# KiCad board cyclic.kicad_pcb (continued)
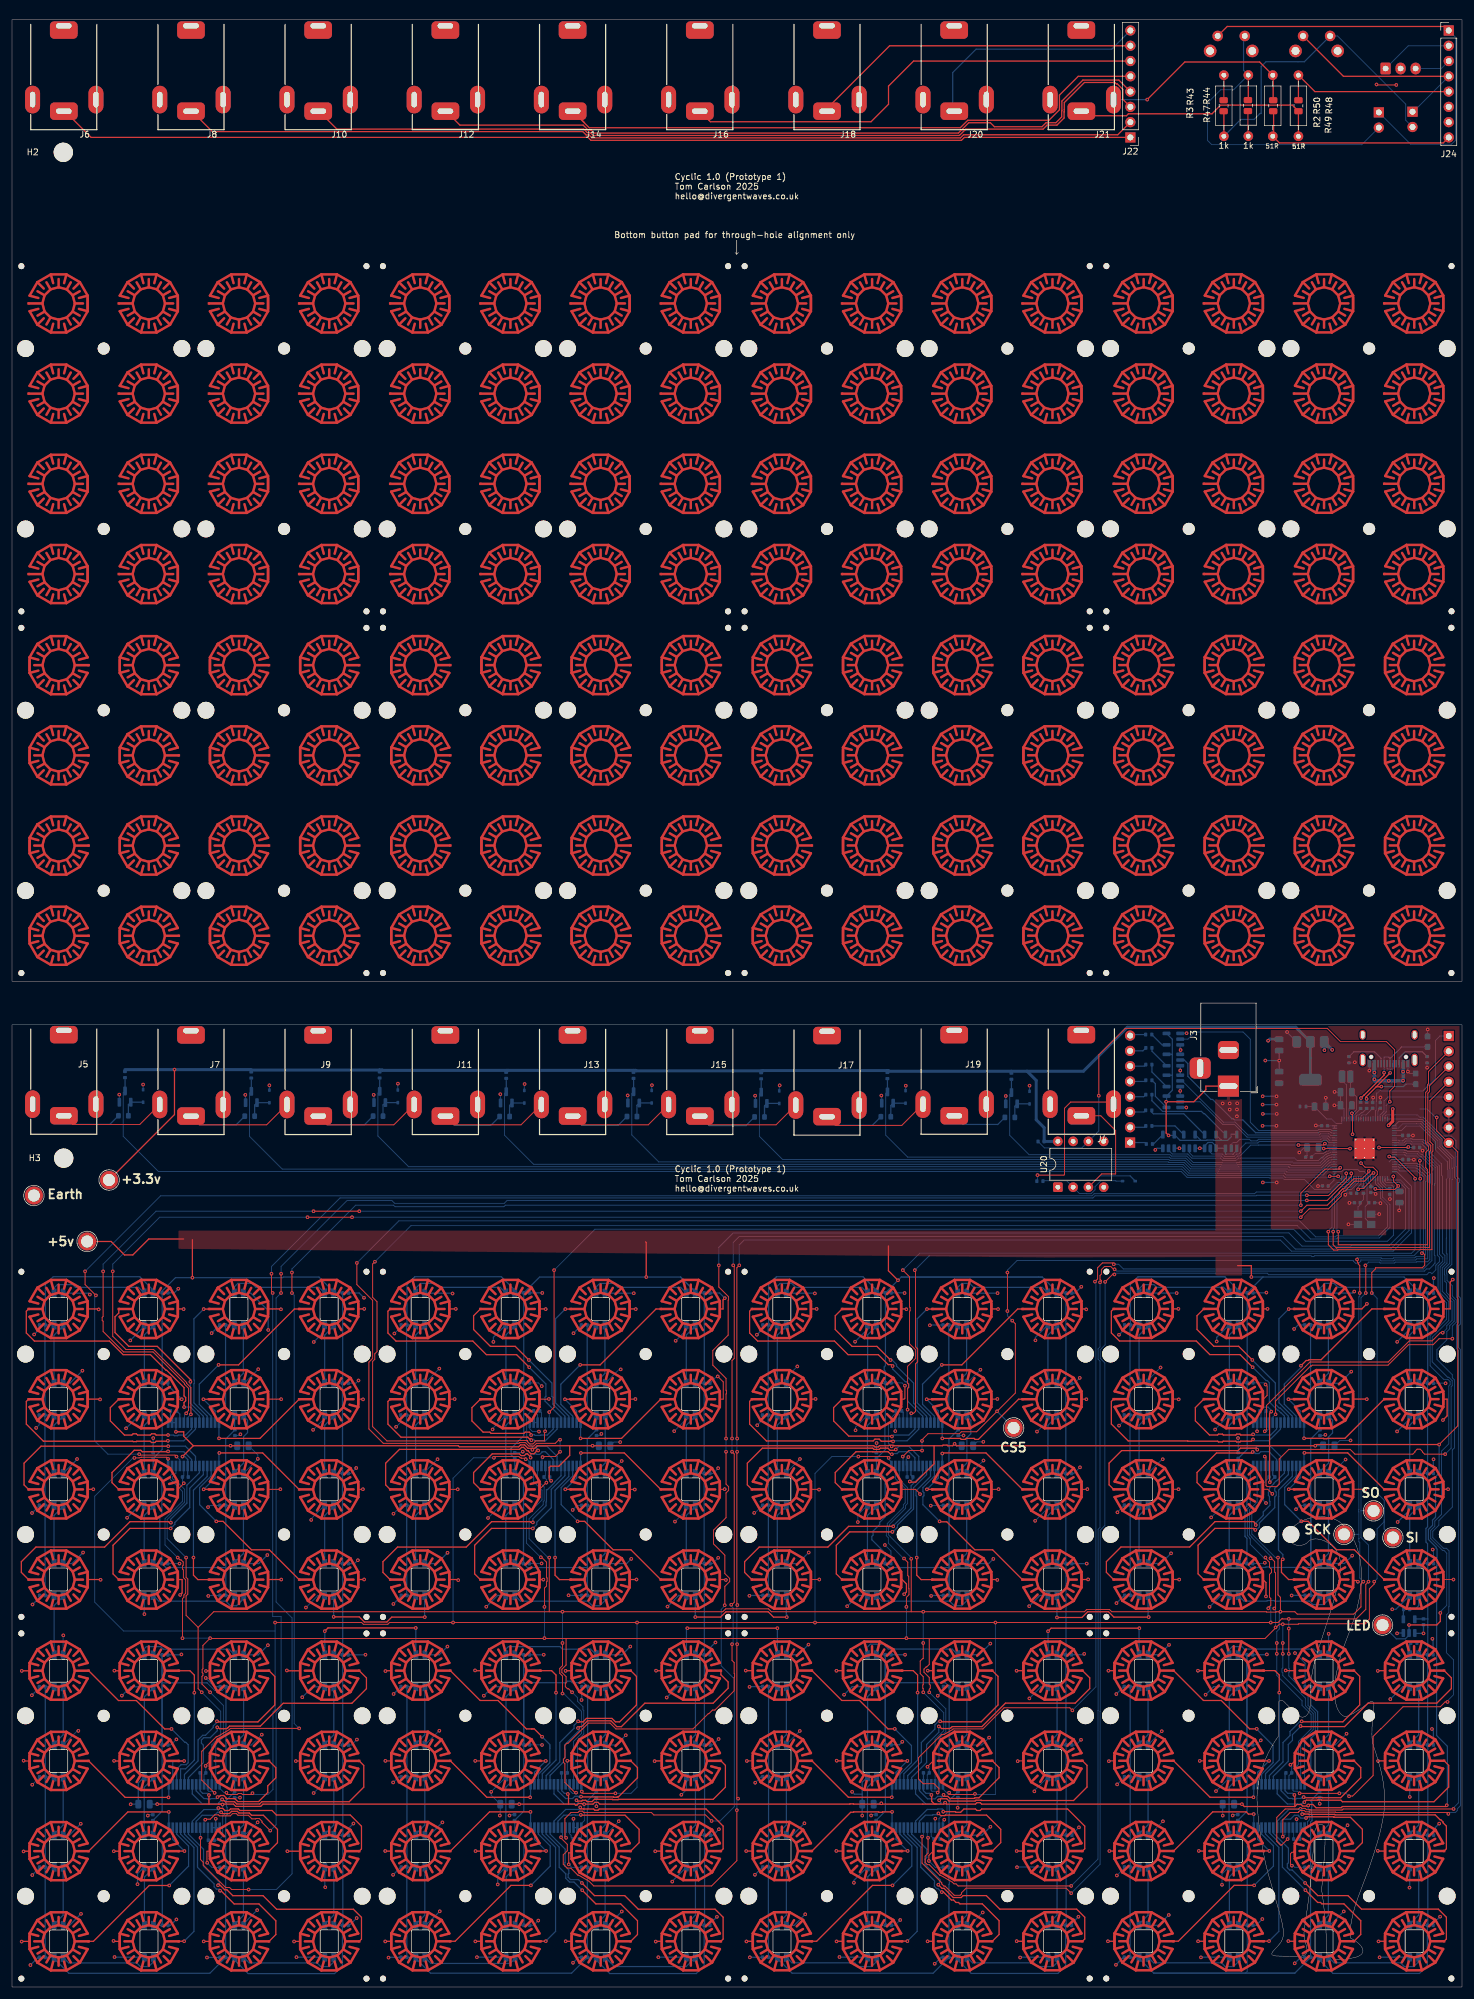
[diagram p0: board, top side]
## Nets (continued)
Earth: C1.2 C2.2 C3.2 C4.2 C5.2 C6.2 C7.2 C8.2 C9.2 C10.2 C11.2 C12.2 C13.2 C14.2 C15.2 C16.2 C17.2 C18.2 C19.2 C20.2 C21.2 C22.2 C23.2 C24.2 C25.2 C26.2 C27.2 C28.2 C29.2 C30.2 C31.2 C32.2 C33.2 C34.2 C35.2 C36.2 C37.2 C38.2 C39.2 C40.2 C41.2 C42.2 C43.2 C44.2 C45.2 C46.2 C47.2 C48.2 C49.2 C50.2 C51.2 C52.2 C53.2 C54.2 C55.2 C56.2 C57.2 C58.2 C59.2 C60.2 C61.2 C62.2 C63.2 C64.2 C65.2 C66.2 C67.2 C68.2 C69.2 C70.2 C71.2 C72.2 C73.2 C74.2 C75.2 C76.2 C77.2 C78.2 C79.2 C80.2 C81.2 C82.2 C83.2 C84.2 C85.2 C86.2 C87.2 C88.2 C89.2 C90.2 C91.2 C92.2 C93.2 C94.2 C95.2 C96.2 C97.2 C98.2 C99.2 C100.2 C101.2 C102.2 C103.2 C104.2 C105.2 C106.2 C107.2 C108.2 C109.2 C110.2 C111.2 C112.2 C113.2 C114.2 C115.2 C116.2 C117.2 C118.2 C119.2 C120.2 C121.2 C122.2 C123.2 C124.2 C125.2 C126.2 C127.2 C128.2 C129.2 C130.2 C131.2 C132.2 C133.2 C134.2 C135.2 C136.2 C137.2 C138.2 C139.2 C140.2 C141.2 C142.2 C143.2 C144.2 C145.2 C146.2 C147.2 C148.2 C149.2 C150.2 C151.2 C152.2 C153.2 C154.2 C155.2 C156.2 C157.2 C158.2 C159.2 C160.2 C161.2 C162.2 C163.2 C164.2 C165.2 D1.1 D2.1 D5.3 D6.3 D7.3 D8.3 D9.3 D10.3 D11.3 D12.3 D13.3 D14.3 D15.3 D16.3 D17.3 D18.3 D19.3 D20.3 D21.3 D22.3 D23.3 D24.3 D25.3 D26.3 D27.3 D28.3 D29.3 D30.3 D31.3 D32.3 D33.3 D34.3 D35.3 D36.3 D37.3 D38.3 D39.3 D40.3 D41.3 D42.3 D43.3 D44.3 D45.3 D46.3 D47.3 D48.3 D49.3 D50.3 D51.3 D52.3 D53.3 D54.3 D55.3 D56.3 D57.3 D58.3 D59.3 D60.3 D61.3 D62.3 D63.3 D64.3 D65.3 D66.3 D67.3 D68.3 D69.3 D70.3 D71.3 D72.3 D73.3 D74.3 D75.3 D76.3 D77.3 D78.3 D79.3 D80.3 D81.3 D82.3 D83.3 D84.3 D85.3 D86.3 D87.3 D88.3 D89.3 D90.3 D91.3 D92.3 D93.3 D94.3 D95.3 D96.3 D97.3 D98.3 D99.3 D100.3 D101.3 D102.3 D103.3 D104.3 D105.3 D106.3 D107.3 D108.3 D109.3 D110.3 D111.3 D112.3 D113.3 D114.3 D115.3 D116.3 D117.3 D118.3 D119.3 D120.3 D121.3 D122.3 D123.3 D124.3 D125.3 D126.3 D127.3 D128.3 D129.3 D130.3 D131.3 D132.3 D133.2 D134.2 D135.2 D136.2 D137.2 D138.2 D139.2 D140.2 J1.A1 J2.2 J3.2 J4.S J5.S J6.S J7.S J8.S J9.S J10.S J11.S J12.S J13.S J14.S J15.S J16.S J17.S J18.S J19.S J20.S J21.S J24.6 J24.7 J25.6 J25.7 Q1.2 Q2.2 Q3.2 Q4.2 Q5.2 Q6.2 Q7.2 Q8.2 R1.2 R2.2 R3.2 R4.2 R43.2 R44.2 SW3.1 SW3.3 SW3.5 SW3.7 SW3.9 SW3.11 SW3.13 SW3.15 SW3.17 SW3.19 SW3.21 SW3.23 SW3.25 SW3.27 SW3.29 SW3.31 SW4.1 SW4.3 SW4.5 SW4.7 SW4.9 SW4.11 SW4.13 SW4.15 SW4.17 SW4.19 SW4.21 SW4.23 SW4.25 SW4.27 SW4.29 SW4.31 SW5.1 SW5.3 SW5.5 SW5.7 SW5.9 SW5.11 SW5.13 SW5.15 SW5.17 SW5.19 SW5.21 SW5.23 SW5.25 SW5.27 SW5.29 SW5.31 SW6.1 SW6.3 SW6.5 SW6.7 SW6.9 SW6.11 SW6.13 SW6.15 SW6.17 SW6.19 SW6.21 SW6.23 SW6.25 SW6.27 SW6.29 SW6.31 SW7.1 SW7.3 SW7.5 SW7.7 SW7.9 SW7.11 SW7.13 SW7.15 SW7.17 SW7.19 SW7.21 SW7.23 SW7.25 SW7.27 SW7.29 SW7.31 SW8.1 SW8.3 SW8.5 SW8.7 SW8.9 SW8.11 SW8.13 SW8.15 SW8.17 SW8.19 SW8.21 SW8.23 SW8.25 SW8.27 SW8.29 SW8.31 SW9.1 SW9.3 SW9.5 SW9.7 SW9.9 SW9.11 SW9.13 SW9.15 SW9.17 SW9.19 SW9.21 SW9.23 SW9.25 SW9.27 SW9.29 SW9.31 SW10.1 SW10.3 SW10.5 SW10.7 SW10.9 SW10.11 SW10.13 SW10.15 SW10.17 SW10.19 SW10.21 SW10.23 SW10.25 SW10.27 SW10.29 SW10.31 TP6.1 U1.1 U2.62 U2.81 U3.1 U3.3 U4.10 U4.15 U4.16 U4.17 U5.10 U5.16 U5.17 U6.10 U6.15 U6.17 U7.10 U7.17 U8.10 U8.15 U8.16 U9.10 U9.16 U10.10 U10.15 U11.10 U12.1 U12.3 U13.1 U13.3 U14.1 U14.3 U15.1 U15.3 U16.1 U16.3 U17.1 U17.3 U18.1 U18.3 U19.1 U19.3 U20.5 Y1.2 Y1.4
Net-(C3-Pad1): C3.1 R6.2 Y1.3
Net-(D3-A): D3.2 J4.T U20.3
Net-(D3-K): D3.1 R45.2 U20.2
Net-(D5-DIN): D5.4 D9.2
Net-(D10-DIN): D10.4 D14.2
Net-(D10-DOUT): D6.4 D10.2
Net-(D11-DIN): D11.4 D15.2
Net-(D11-DOUT): D7.4 D11.2
Net-(D12-DIN): D12.4 D16.2
Net-(D12-DOUT): D8.4 D12.2
Net-(D13-DIN): D13.4 D17.2
Net-(D13-DOUT): D9.4 D13.2
Net-(D14-DIN): D14.4 D18.2
Net-(D15-DIN): D15.4 D19.2
Net-(D16-DIN): D16.4 D20.2
Net-(D17-DIN): D6.2 D17.4
Net-(D18-DIN): D7.2 D18.4
Net-(D19-DIN): D8.2 D19.4
Net-(D21-DIN): D21.4 D25.2
Net-(D22-DIN): D22.4 D26.2
Net-(D22-DOUT): D22.2 D33.4
Net-(D23-DIN): D23.4 D27.2
Net-(D23-DOUT): D23.2 D34.4
Net-(D24-DIN): D24.4 D28.2
Net-(D24-DOUT): D24.2 D35.4
Net-(D25-DIN): D25.4 D29.2
Net-(D26-DIN): D26.4 D30.2
Net-(D27-DIN): D27.4 D31.2
Net-(D28-DIN): D28.4 D32.2
Net-(D29-DIN): D29.4 D33.2
Net-(D30-DIN): D30.4 D34.2
Net-(D31-DIN): D31.4 D35.2
Net-(D32-DIN): D32.4 D36.2
Net-(D37-DIN): D37.4 D41.2
Net-(D38-DIN): D38.4 D42.2
Net-(D38-DOUT): D38.2 D49.4
Net-(D39-DIN): D39.4 D43.2
Net-(D39-DOUT): D39.2 D50.4
Net-(D40-DIN): D40.4 D44.2
Net-(D40-DOUT): D40.2 D51.4
Net-(D41-DIN): D41.4 D45.2
Net-(D42-DIN): D42.4 D46.2
Net-(D43-DIN): D43.4 D47.2
Net-(D44-DIN): D44.4 D48.2
Net-(D45-DIN): D45.4 D49.2
Net-(D46-DIN): D46.4 D50.2
Net-(D47-DIN): D47.4 D51.2
Net-(D48-DIN): D48.4 D52.2
Net-(D53-DIN): D53.4 D57.2
Net-(D54-DIN): D54.4 D58.2
Net-(D54-DOUT): D54.2 D65.4
Net-(D55-DIN): D55.4 D59.2
Net-(D55-DOUT): D55.2 D66.4
Net-(D56-DIN): D56.4 D60.2
Net-(D56-DOUT): D56.2 D67.4
Net-(D57-DIN): D57.4 D61.2
Net-(D58-DIN): D58.4 D62.2
Net-(D59-DIN): D59.4 D63.2
Net-(D60-DIN): D60.4 D64.2
Net-(D61-DIN): D61.4 D65.2
Net-(D62-DIN): D62.4 D66.2
Net-(D63-DIN): D63.4 D67.2
Net-(D64-DIN): D64.4 D68.2
Net-(D69-DIN): D69.4 D73.2
Net-(D70-DIN): D70.4 D74.2
Net-(D70-DOUT): D70.2 D81.4
Net-(D71-DIN): D71.4 D75.2
Net-(D71-DOUT): D71.2 D82.4
Net-(D72-DIN): D72.4 D76.2
Net-(D72-DOUT): D72.2 D83.4
Net-(D73-DIN): D73.4 D77.2
Net-(D74-DIN): D74.4 D78.2
Net-(D75-DIN): D75.4 D79.2
Net-(D76-DIN): D76.4 D80.2
Net-(D77-DIN): D77.4 D81.2
Net-(D78-DIN): D78.4 D82.2
Net-(D79-DIN): D79.4 D83.2
Net-(D80-DIN): D80.4 D84.2
Net-(D85-DIN): D85.4 D89.2
Net-(D86-DIN): D86.4 D90.2
Net-(D86-DOUT): D86.2 D97.4
Net-(D87-DIN): D87.4 D91.2
Net-(D87-DOUT): D87.2 D98.4
Net-(D88-DIN): D88.4 D92.2
Net-(D88-DOUT): D88.2 D99.4
Net-(D89-DIN): D89.4 D93.2
Net-(D90-DIN): D90.4 D94.2
Net-(D91-DIN): D91.4 D95.2
Net-(D92-DIN): D92.4 D96.2
Net-(D93-DIN): D93.4 D97.2
Net-(D94-DIN): D94.4 D98.2
Net-(D95-DIN): D95.4 D99.2
Net-(D100-DOUT): D96.4 D100.2
Net-(D101-DIN): D101.4 D105.2
Net-(D102-DIN): D102.4 D106.2
Net-(D102-DOUT): D102.2 D113.4
Net-(D103-DIN): D103.4 D107.2
Net-(D103-DOUT): D103.2 D114.4
Net-(D104-DIN): D104.4 D108.2
Net-(D104-DOUT): D104.2 D115.4
Net-(D105-DIN): D105.4 D109.2
Net-(D106-DIN): D106.4 D110.2
Net-(D107-DIN): D107.4 D111.2
Net-(D108-DIN): D108.4 D112.2
Net-(D109-DIN): D109.4 D113.2
Net-(D110-DIN): D110.4 D114.2
Net-(D111-DIN): D111.4 D115.2
Net-(D112-DIN): D112.4 D116.2
Net-(D117-DIN): D117.4 D121.2
Net-(D118-DIN): D118.4 D122.2
Net-(D118-DOUT): D118.2 D129.4
Net-(D119-DIN): D119.4 D123.2
Net-(D119-DOUT): D119.2 D130.4
Net-(D120-DIN): D120.4 D124.2
Net-(D120-DOUT): D120.2 D131.4
Net-(D121-DIN): D121.4 D125.2
Net-(D122-DIN): D122.4 D126.2
Net-(D123-DIN): D123.4 D127.2
Net-(D124-DIN): D124.4 D128.2
Net-(D125-DIN): D125.4 D129.2
Net-(D126-DIN): D126.4 D130.2
Net-(D127-DIN): D127.4 D131.2
Net-(D128-DIN): D128.4 D132.2
Net-(D133-K): D133.1 Q1.1 R19.1
Net-(D134-K): D134.1 Q2.1 R22.1
Net-(D135-K): D135.1 Q3.1 R25.1
Net-(D136-K): D136.1 Q4.1 R28.1
Net-(D137-K): D137.1 Q5.1 R31.1
Net-(D138-K): D138.1 Q6.1 R34.1
Net-(D139-K): D139.1 Q7.1 R37.1
Net-(D140-K): D140.1 Q8.1 R40.1
Net-(J4-PadR): J4.R R45.1
Net-(J21-PadR): J21.R R47.2 R50.1
Net-(J21-PadT): J21.T R48.2 R49.1
Net-(J26-Pin_2): J26.2 R3.1 R43.1 SW1.1
Net-(J27-Pin_2): J27.2 R2.1 R44.1 SW2.1
Net-(R20-Pad1): R20.1 U12.4
Net-(R23-Pad1): R23.1 U13.4
Net-(R26-Pad1): R26.1 U14.4
Net-(R29-Pad1): R29.1 U15.4
Net-(R32-Pad1): R32.1 U16.4
Net-(R35-Pad1): R35.1 U17.4
Net-(R38-Pad1): R38.1 U18.4
Net-(R41-Pad1): R41.1 U19.4
Net-(U2-USB_DM): R8.2 U2.66
Net-(U2-USB_DP): R7.2 U2.67
Net-(U4-~{RESET}): R11.2 U4.18
Net-(U5-~{RESET}): R12.2 U5.18
Net-(U6-~{RESET}): R13.2 U6.18
Net-(U7-~{RESET}): R14.2 U7.18
Net-(U8-~{RESET}): R15.2 U8.18
Net-(U9-~{RESET}): R16.2 U9.18
Net-(U10-~{RESET}): R17.2 U10.18
Net-(U11-~{RESET}): R18.2 U11.18

Pads without a net: J1 1 2 3 4 A8 B8; J3 3; J4 TN; J5 NC; J6 NC TN; J7 NC; J8 NC TN; J9 NC; J10 NC TN; J11 NC; J12 NC TN; J13 NC; J14 NC TN; J15 NC; J16 NC TN; J17 NC; J18 NC TN; J19 NC; J20 NC TN; J21 TN; R10 2; SW11 1 2 3 4 5 6 7 8 9 10 11 12 13 14 15 16 17 18 19 20 21 22 23 24 25 26 27 28 29 30 31 32; SW12 1 2 3 4 5 6 7 8 9 10 11 12 13 14 15 16 17 18 19 20 21 22 23 24 25 26 27 28 29 30 31 32; SW13 1 2 3 4 5 6 7 8 9 10 11 12 13 14 15 16 17 18 19 20 21 22 23 24 25 26 27 28 29 30 31 32; SW14 1 2 3 4 5 6 7 8 9 10 11 12 13 14 15 16 17 18 19 20 21 22 23 24 25 26 27 28 29 30 31 32; SW15 1 2 3 4 5 6 7 8 9 10 11 12 13 14 15 16 17 18 19 20 21 22 23 24 25 26 27 28 29 30 31 32; SW16 1 2 3 4 5 6 7 8 9 10 11 12 13 14 15 16 17 18 19 20 21 22 23 24 25 26 27 28 29 30 31 32; SW17 1 2 3 4 5 6 7 8 9 10 11 12 13 14 15 16 17 18 19 20 21 22 23 24 25 26 27 28 29 30 31 32; SW18 1 2 3 4 5 6 7 8 9 10 11 12 13 14 15 16 17 18 19 20 21 22 23 24 25 26 27 28 29 30 31 32; U20 1 4 7

## Via types
v1: diameter 0.6, hole 0.3, Top to Bottom, 842 vias

## Routing (per net, layer and track width the routed paths; a pad name or vN(x,y) marks a point on that pad's centre or on a via; arc(x,y) is an arc through that point)
+1V1: length 37.1
  Top w0.15: v1(223.88,132.65) 224.03,132.8 224.75,132.8 227.07,135.12 227.07,135.62 226.37,136.32 225.03,136.32 v1(224.35,137) ; v1(227.35,139.6) 232.03,139.6 ; v1(218.15,139.41) v1(222.54,139.41) ; 222.95,145.4 222.95,142
  Bottom w0.15: C8.1 217.8,139.6 217.99,139.41 v1(218.15,139.41) ; v1(218.15,139.41) 218.13,139.41 ; v1(218.15,139.41) 218.65,139.41 218.83,139.6 U2.51 ; U2.32 224.35,133.51 224.11,133.27 224.11,133.26 223.63,132.78 C10.1 ; U2.10 231.83,139.6 231.94,139.49 232.12,139.49 232.23,139.6 v1(232.23,139.68) 232.31,139.6 C6.1 ; v1(222.54,139.41) 222.55,139.43 ; C4.1 223.63,148.02 223.63,145.9 223.33,145.6 223.31,145.6 222.75,145.04 U2.65 ; L1.1 222.6,149.05
  vias: v1(222.84,145.29) v1(222.95,141.8)
+3.3V: length 1009.5
  Top w0.15: v1(237.35,90.2) 240.45,93.3 240.45,138.86 J25.8 236.95,142.36 v1(236.95,144.6) ; v1(226.74,132.71) 226.85,132.71 226.87,132.69 226.87,132.66 226.88,132.64 226.9,132.64 226.91,132.63 229.98,132.63 v1(230.55,133.2) 229.75,134 229.75,135 ; v1(89.66,84.17) 89.55,84.17 89.35,84.37 89.35,84.8
  Top w0.2: 213.35,30 204.95,30 v1(204.55,30.4) 161.27,30.4 161.02,30.65 160.48,30.65 160.23,30.4 155.44,30.4 v1(155.19,30.65) 154.94,30.4 153.65,30.4 ; 213.35,30 213.7,30.35 214.39,30.35 214.66,30.08 215.48,30.08 v1(215.57,30.18) 215.57,30.22 215.55,30.24 215.55,30.31 215.6,30.35 216.33,30.35 216.88,29.81 221.06,29.81 221.25,30 238.49,30 238.62,30.13 v1(238.62,30.23) ; 213.35,30 213.35,31.87 v1(213.29,31.93) ; v1(149.31,84.05) 149.22,83.96 149.22,83.95 149.22,83.95 150.3,83.95 153.35,87 153.35,90 ; v1(92.44,32.09) 92.55,31.98 92.55,30.4 ; 32.75,30.4 v1(32.75,31.91) ; 32.75,30.4 34.35,30.4 ; 32.75,30.4 v1(24.15,30.4) ; 153.65,30.4 153.42,30.4 152.95,30.87 152.95,31.89 v1(152.91,31.93) ; 153.65,30.4 153.65,30.41 151.48,30.41 151.48,30.4 144.71,30.4 v1(144.57,30.54) 144.43,30.4 139.97,30.4 139.92,30.45 139.38,30.45 139.33,30.4 97.76,30.4 97.46,30.7 96.92,30.7 96.62,30.4 v1(95.15,30.4) 94.88,30.4 94.77,30.51 94.23,30.51 93.96,30.25 93.71,30.25 93.56,30.4 92.55,30.4 ; 34.35,30.4 34.74,30.4 34.92,30.22 34.97,30.22 35,30.25 35,30.33 v1(35.01,30.35) ; 34.35,30.4 36.84,30.4 37.21,30.02 41.35,30.02 41.73,30.4 v1(84.35,30.4) 92.55,30.4 ; v1(237.35,90.2) 216.95,90.2 v1(216.75,90) 209.15,90 ; 209.15,90 209.15,83.99 209.19,83.94 v1(209.19,83.94) ; 209.15,90 157.07,90 v1(156.76,90.31) 156.45,90 155.62,90 155.52,90.1 154.84,90.1 154.74,90 153.35,90 ; 209.15,90 209.15,95.4 v1(209.43,95.68) ; 209.82,307.75 209.82,311.85 ; TP8.1 27.02,145.07 v1(27.02,152.55) ; 92.75,90 v1(96.55,90) 143.32,90 143.52,89.8 144.06,89.8 144.26,90 145.73,90 145.79,90.06 146.2,90.06 146.31,89.95 v1(146.31,89.89) 146.31,89.92 146.44,90.06 146.66,90.06 146.72,90 153.35,90 ; 92.75,90 92.75,88.4 90.95,86.6 89.55,86.6 89.35,86.4 89.35,84.8 ; 92.75,90 87.37,90 86.94,89.57 86.66,89.57 86.55,89.46 ; v1(86.55,89.32) 86.55,89.46 ; 86.55,89.46 86.44,89.57 85.82,89.57 85.24,90.14 84.58,90.14 84.26,89.82 74.39,89.82 74.22,90 v1(36.35,90) 30.15,90 ; 30.15,90 28.55,91.6 28.55,92.3 28.53,92.31 v1(27.27,92.31) ; 30.15,90 v1(28.35,88.2) ; J24.8 238.04,306.65 210.79,306.65 R50.2
  Top w0.5: v1(229.63,145.99) 229.63,143.96 228.95,143.28 v1(228.94,143.28)
  Bottom w0.15: 207.72,95.62 U8.17 ; U5.15 94.69,24.93 R12.1 ; v1(35.01,30.35) 35.01,30.32 35.02,30.31 35.04,30.31 35.04,29.66 35.4,29.3 35.4,28.79 35.04,28.43 35.04,25.09 34.35,24.4 R11.1 ; C15.1 219.9,134.19 219.86,134.23 219.86,135.12 219.98,135.24 220,135.24 U2.41 221.15,135.6 221.47,135.92 223.83,135.92 224.15,135.6 224.87,135.6 225.55,134.92 U2.29 225.55,133.9 225.99,133.46 C19.1 226.37,133.08 v1(226.74,132.71) ; U9.17 147.56,95.19 R16.1 146.95,95.4 146.26,94.71 U9.15 145.88,93.84 145.75,93.71 145.75,90.45 v1(146.31,89.89) ; C18.1 U2.15 229.43,137.6 229.03,137.2 ; U2.50 219.14,139.2 218.9,138.97 218.59,138.97 218.41,138.79 218.32,138.79 218.13,138.6 216.71,138.6 C14.1 ; C20.1 U2.5 ; 227.3,146.12 227.24,146.06 227.24,145.66 227.15,145.56 U2.76 ; v1(215.57,30.18) 215.57,29.58 215.75,29.4 215.75,28.47 215.81,28.41 215.81,28.39 215.84,28.36 215.84,27.84 215.47,27.47 215.47,26.63 215.35,26.51 U7.15 U7.16 214.32,24.75 ; v1(155.19,30.65) 155.5,30.34 155.5,28.89 155.13,28.52 154.69,28.52 154.17,28.01 U6.16 154.17,24.78 ; U2.64 222.35,146.1 C1.1 ; C131.1 89.43,84.4 v1(89.66,84.17) ; U2.68 U2.69 224.35,144.82 224.56,145.03 225.21,145.03 C11.1 ; v1(86.55,89.32) 86.55,89.82 85.6,90.77 85.6,94.99 86.41,95.8 R17.1 87.41,95.14 U10.17 U10.16 ; 94.69,27.15 95.23,27.7 95.23,28.87 95.15,28.95 v1(95.15,30.4) ; 234.15,146 235.35,146 236.75,144.6 v1(236.95,144.6) ; U2.59 U2.60 C13.1 ; 229.1,132.75 228.58,132.75 227.66,133.67 227.66,133.78 227.55,133.9 U2.24 ; v1(230.55,133.2) 230.55,132.51
  Bottom w0.2: R18.1 26.35,94.23 U11.15 U11.16 27.27,93.84 v1(27.27,92.31) ; v1(28.35,88.2) 28.73,88.2 29.22,87.72 U11.9 29.22,84.89 ; C22.1 v1(24.15,30.4) ; U9.9 149.51,85.12 C113.1 149.83,84.49 149.39,84.05 v1(149.31,84.05) ; C41.1 91.39,33.75 ; v1(152.91,31.93) 152.64,32.2 152,32.2 151.57,32.63 U6.9 ; C58.1 144.43,30.4 v1(144.57,30.54) ; C76.1 v1(204.55,30.4) ; R15.1 208.17,96.42 208.89,96.42 209.43,95.89 v1(209.43,95.68) ; C94.1 v1(216.75,90) ; v1(156.76,90.31) 157.07,90 C112.1 ; U8.9 209.67,85.15 C95.1 209.19,83.96 v1(209.19,83.94) ; v1(92.44,32.09) 92.33,32.2 91.86,32.2 91.44,32.62 U5.9 ; C59.1 151.59,33.72 ; v1(237.35,90.2) 237.35,85.43 236.75,84.83 236.75,78.13 236.25,77.64 236.25,76.77 235.57,76.08 235.57,74.42 236.87,73.12 236.87,72.95 237,72.81 237,70.05 236.94,69.98 236.94,41.81 238.72,40.02 238.72,30.24 238.71,30.23 v1(238.62,30.23) ; 211.72,35.45 U7.9 211.72,32.63 212.15,32.2 213.02,32.2 v1(213.29,31.93) ; U4.9 31.28,32.61 31.7,32.2 32.46,32.2 v1(32.75,31.91) ; v1(96.55,90) C130.1 ; U10.9 89.35,84.88 ; C23.1 31.27,33.7 ; C148.1 v1(36.35,90) ; C40.1 v1(84.35,30.4)
  Bottom w0.5: U1.2 U1.2 213.52,159.58 185.49,159.58 178.18,152.27 168.82,152.27 ; 168.82,152.27 145.85,152.27 145.75,152.38 124.92,152.38 124.88,152.35 103.82,152.35 103.75,152.42 82.48,152.42 82.48,152.42 61.62,152.42 61.56,152.48 61.14,152.48 61.13,152.47 39.78,152.47 39.71,152.55 v1(27.02,152.55) 18.78,152.55 ; 168.82,152.27 170.34,150.75 170.34,144.21 171.66,142.89 R46.2 173.92,140.6 U20.8
  vias: v1(229.73,134.78)
+5V: length 2507.5
  Top w0.2: 105.36,123.91 105.48,123.79 v1(105.48,118.05) 105.58,118.15 ; 203.83,119.95 206.12,119.95 v1(206.12,118.06) ; 28.53,124.38 22.74,124.38 20.09,121.73 18.71,121.73 16.47,123.97 TP7.1 ; v1(147.35,117.51) 145.76,119.1 145.76,123.22 ; v1(192.35,141.6) 191.95,142 v1(191.95,147.2) 196.55,147.2 198.55,149.2 198.55,149.8 J3.1 ; v1(30,117.95) 30,124.26
  Bottom w0.15: C90.1 205.43,2.57 205.15,2.3 ; C33.1 34.98,49.34 33.69,49.34 32.45,50.58
  Bottom w0.2: C152.1 5.54,116.79 6.85,118.1 21.25,118.1 23.48,115.87 ; C92.1 215.97,27.44 216.21,27.68 216.21,28.51 216.18,28.54 216.18,28.57 216.13,28.62 216.13,29.89 216.18,29.94 216.18,30.76 215.97,30.97 C93.1 ; 36.68,95.08 35.51,96.25 C162.1 36.96,110.07 ; 35.6,31.01 C39.1 ; 35.6,31.01 35.6,30.75 ; 35.6,31.01 35.6,30.75 ; 24.97,100.45 C150.1 24.97,115.73 27.19,117.95 v1(30,117.95) 45.02,117.95 45.12,118.05 51.05,118.05 53.5,115.6 ; C157.1 C161.1 53.5,100.4 ; C157.1 54.97,70.43 ; C157.1 53.5,85.4 ; 24.95,50.58 32.44,50.58 32.45,50.58 ; 24.95,50.58 C29.1 ; 24.95,50.58 24.95,40.27 C29.1 ; 23.51,100.4 24.91,100.4 ; 37.02,95.08 37.02,92.71 ; 171.34,118.05 147.89,118.05 ; 171.34,118.05 147.89,118.05 ; 171.34,118.05 173.79,115.6 ; 216.01,69.76 209.21,69.76 209.12,69.85 208.58,69.85 208.49,69.76 206.03,69.76 205.39,70.41 ; 216.01,69.76 C101.1 ; 216.01,69.76 216.01,80.07 C101.1 ; C164.1 24.97,89.38 C165.1 ; C137.1 95.69,80.06 95.69,69.75 ; C137.1 97.15,65.1 ; C137.1 95.69,69.75 ; 85.1,50.59 92.12,50.59 92.38,50.85 92.92,50.85 93.18,50.59 95.08,50.59 95.72,49.94 ; 85.1,50.59 85.1,40.28 C47.1 ; 85.1,50.59 C47.1 ; 95.72,49.94 95.72,42.36 95.73,42.36 95.73,42.04 95.72,42.04 95.72,35.74 96.52,34.94 97.17,34.94 97.17,32.45 ; 95.72,49.94 97.17,49.94 ; 6.98,95.1 C153.1 ; C153.1 5.47,110.01 ; C153.1 5.47,80.12 ; 205.39,70.41 205.39,74.6 205.11,74.87 205.11,74.9 205.07,74.95 205.07,79.65 205.39,79.97 205.39,84.61 204.59,85.41 203.94,85.41 203.94,87.9 ; 205.39,70.41 203.94,70.41 ; C81.1 235.46,10.33 ; C81.1 233.96,25.25 ; C81.1 235.46,40.22 ; 35.55,69.75 25.58,69.75 C159.1 ; 35.55,69.75 35.55,80.06 ; 35.55,69.75 C155.1 37.01,65.1 ; 23.48,115.4 24.94,115.4 ; 127.14,118.1 126.84,117.8 ; 127.14,118.1 141.54,118.1 143.77,115.87 ; 127.14,118.1 125.83,116.79 C116.1 ; C98.1 186,116.8 187.31,118.11 ; C159.1 23.48,70.4 ; C159.1 24.93,72.21 24.58,72.56 24.58,78.17 24.93,78.52 24.93,84.6 24.13,85.4 23.48,85.4 23.48,87.89 ; C123.1 145.87,69.75 155.84,69.75 ; C123.1 145.22,72.15 142.99,74.38 142.99,74.92 143.21,75.14 143.21,75.81 144.3,76.91 144.3,77.25 145.22,78.17 145.22,84.6 144.42,85.4 143.77,85.4 143.77,87.88 ; C123.1 143.77,70.4 ; 235.45,100.43 C109.1 233.96,115.41 ; 155.82,19.89 155.82,17.75 155.9,17.67 155.9,17.13 155.82,17.05 C60.1 153.19,2.29 129.74,2.29 127.29,4.74 ; 6.98,65.11 5.56,65.11 ; 111.19,118.05 111.19,118.04 ; 111.19,118.05 v1(105.48,118.05) 87.73,118.05 C132.1 85.11,100.45 ; 111.19,118.05 113.64,115.6 111.19,118.04 ; 111.19,118.04 111.44,117.8 ; U3.5 233.36,61.2 C17.1 235.46,61.2 ; 217.14,95.09 215.97,96.26 C108.1 217.42,110.08 ; 97.17,4.94 95.71,4.94 ; 201.21,140.77 U14.5 ; 201.21,140.77 199.86,140.77 199.8,140.83 198.75,140.83 198.69,140.77 197.74,140.77 ; 201.21,140.77 202.16,140.77 202.75,141.36 202.75,141.8 203.65,141.8 U15.5 ; C146.1 85.1,91.6 85.05,91.6 83,89.55 83,88.5 C147.1 ; C156.1 35.53,91.11 C151.1 36.97,80.07 ; 155.84,69.75 C119.1 ; 155.84,69.75 155.84,80.06 C119.1 ; 157.25,110.07 C126.1 155.8,96.25 156.97,95.08 ; U18.5 192.89,155.09 192.98,155 ; 115.15,55.19 C52.1 113.67,40.24 ; C29.1 23.49,55.23 ; 217.48,95.09 217.48,92.72 ; 235.46,55.32 235.46,61.2 ; 235.46,61.2 C104.1 233.96,70.41 ; C117.1 125.77,110.01 ; C117.1 127.27,95.1 ; C117.1 125.77,80.12 ; C48.1 85.11,29.23 C43.1 83.69,40.26 ; 187.31,118.11 201.71,118.11 ; 187.31,118.11 201.71,118.11 ; 187.31,118.11 187.04,117.84 ; 201.71,118.11 203.94,115.88 ; 6.98,80.1 C160.1 5.5,65.15 ; 35.6,30.75 35.53,30.68 35.53,30.65 35.67,30.52 35.67,29.98 35.78,29.87 35.78,28.63 35.53,28.39 C38.1 ; 233.96,85.41 C103.1 ; C103.1 235.42,76.51 235.16,76.25 235.16,73.98 235.42,73.72 235.42,70.44 ; C103.1 C107.1 233.96,100.41 ; 157.26,80.07 C115.1 155.83,89.11 155.9,89.18 155.9,89.72 155.83,89.79 155.83,91.11 C120.1 ; 197.74,140.77 194.27,140.77 U12.5 193.16,141.6 v1(192.35,141.6) ; 197.74,140.77 U13.5 ; 67.12,65.11 65.7,65.11 ; 54.99,100.42 C163.1 53.5,115.4 ; C83.1 205.39,40.29 C83.1 ; C83.1 203.93,55.25 ; 53.52,10.25 54.96,10.25 ; C31.1 C35.1 7,19.93 ; C31.1 7,34.93 ; C31.1 5.53,49.89 ; 187.44,19.95 C89.1 C85.1 ; C27.1 55.02,10.31 ; C27.1 53.52,25.23 ; C27.1 55.02,40.2 ; 127.29,49.94 C68.1 ; 187.44,65.12 186.02,65.12 ; C47.1 83.64,55.24 ; 175.29,55.19 C70.1 173.81,40.24 ; 6.98,110.08 5.54,110.08 ; C45.1 115.17,10.32 ; C45.1 115.17,40.22 ; C45.1 113.67,25.24 ; v1(191.95,147.2) 192.01,147.26 U16.5 192.98,149.12 192.98,151.6 ; 115.14,55.28 C140.1 113.64,70.4 ; 192.98,155 192.98,151.6 ; 192.98,155 192.98,157.6 U19.5 ; 192.98,151.6 192.96,151.62 U17.5 ; 35.53,19.87 C24.1 32.9,2.28 9.45,2.28 7,4.73 ; C26.1 54.96,3.54 53.65,2.23 39.25,2.23 37.02,4.46 ; 203.97,100.41 205.38,100.41 ; 213.34,2.3 189.89,2.3 ; 213.34,2.3 189.89,2.3 ; 213.34,2.3 C78.1 215.97,19.89 ; 127.27,80.1 C124.1 125.79,65.15 ; C134.1 65.68,116.79 66.99,118.1 ; C66.1 145.25,29.23 C61.1 143.82,40.27 ; C101.1 217.47,65.11 ; C49.1 65.69,49.9 ; C49.1 67.15,34.94 ; C49.1 C53.1 67.15,19.94 ; 189.89,2.3 187.44,4.75 ; 175.28,100.42 C127.1 173.79,115.4 ; 203.97,40.27 C79.1 205.4,29.24 C84.1 ; 157.31,32.46 157.31,34.94 156.66,34.94 155.86,35.74 C69.1 ; 173.81,25.24 C63.1 ; C63.1 175.31,40.22 ; C63.1 175.31,10.33 ; 187.44,95.11 C99.1 ; C99.1 185.94,110.02 ; C99.1 185.94,80.13 ; C119.1 157.3,65.1 ; C69.1 155.21,50.59 145.24,50.59 ; C69.1 157.31,49.94 ; 185.96,65.16 C106.1 187.44,80.11 ; C135.1 65.62,80.12 ; C135.1 65.62,110.01 ; C135.1 67.12,95.1 ; 145.24,50.59 145.24,40.28 C65.1 ; 145.24,50.59 C65.1 ; 83.97,25.26 85.14,24.09 C54.1 83.69,10.26 ; C139.1 115.1,70.43 ; C139.1 113.64,85.4 ; C139.1 C143.1 113.64,100.4 ; 157.31,95.08 157.31,92.71 ; 67.15,49.94 C50.1 ; 217.46,4.48 219.69,2.25 234.09,2.25 235.4,3.56 C80.1 ; 66.99,118.1 66.49,117.6 ; 66.99,118.1 81.39,118.1 83.62,115.87 ; 143.77,115.4 145.24,115.4 ; C138.1 95.67,91.11 95.67,80.07 97.1,80.07 ; 187.44,4.95 C91.1 185.95,19.92 ; 147.89,118.05 v1(147.35,117.51) C114.1 145.26,103.31 145.06,103.11 145.06,102.57 145.26,102.37 145.26,100.45 ; 125.8,19.92 C73.1 127.29,4.94 ; 7,4.93 C37.1 5.51,19.9 ; 95.69,69.75 85.72,69.75 85.07,70.4 ; 203.94,115.41 205.41,115.41 ; C128.1 145.26,93.24 145.17,93.16 145.17,90.04 145.26,89.96 145.26,89.38 C129.1 ; 53.52,40.23 C34.1 55,55.18 ; 85.07,70.4 85.07,84.6 84.27,85.4 83.62,85.4 83.62,87.89 ; 85.07,70.4 83.62,70.4 ; 143.82,10.27 C72.1 145.28,24.1 144.11,25.26 ; 143.8,100.4 145.21,100.4 ; 233.96,40.25 C88.1 235.44,55.2 ; 53.52,55.22 54.94,55.22 ; 143.77,25.26 143.77,27.64 ; 113.64,115.4 C145.1 115.13,100.42 ; 83.62,115.4 85.09,115.4 ; 55,55.28 C158.1 53.5,70.4 ; 204.26,25.27 205.43,24.1 C90.1 203.98,10.27 ; 65.66,19.91 C55.1 67.15,4.94 ; 113.67,55.23 115.09,55.23 ; 37.02,4.93 35.55,4.93 ; 65.64,65.15 C142.1 67.12,80.1 ; 173.81,10.26 175.24,10.26 ; C67.1 125.82,49.91 ; C67.1 C71.1 127.29,19.94 ; C67.1 127.29,34.94 ; C102.1 216,91.12 C97.1 217.42,80.08 ; 127.27,110.08 125.83,110.08 ; 96.82,95.08 95.65,96.25 C144.1 97.1,110.07 ; 208.05,118.06 C96.1 205.43,100.47 ; 208.05,118.06 231.51,118.06 233.96,115.61 ; 208.05,118.06 v1(206.12,118.06) ; 97.16,95.08 97.16,92.71 ; C62.1 175.25,3.55 173.94,2.24 159.54,2.24 157.31,4.47 ; C110.1 205.42,89.39 C111.1 ; C65.1 143.78,55.24 ; 203.92,25.27 203.92,27.64 ; 217.46,49.95 C87.1 216.01,46.9 217.14,45.77 217.14,42.47 216.01,41.34 216.01,35.74 216.81,34.95 217.46,34.95 217.46,32.46 ; 97.17,4.47 99.4,2.24 113.8,2.24 115.11,3.55 C44.1 ; C121.1 C125.1 173.79,100.4 ; C121.1 175.26,70.43 ; C121.1 173.79,85.4 ; 217.43,19.95 216.02,19.95 ; 233.96,55.24 235.38,55.24 ; 157.28,19.94 155.87,19.94 ; C56.1 95.69,29.51 95.8,29.63 95.8,30.85 95.69,30.96 C57.1 ; 23.48,25.25 23.48,27.62 ; 157.31,4.94 155.84,4.94 ; 173.81,55.23 175.23,55.23 ; 23.54,10.25 C36.1 24.99,24.08 23.82,25.25 ; 233.96,10.27 235.4,10.27 ; 67.15,4.74 69.6,2.29 93.05,2.29 C42.1 95.68,19.88 ; 173.79,70.4 C122.1 175.29,55.3 ; 113.67,10.26 115.11,10.26 ; 127.27,65.11 125.85,65.11 ; 37.02,49.93 C33.1 35.57,35.72 36.37,34.93 37.02,34.93 37.02,32.44 ; 187.44,34.95 C85.1 ; C85.1 185.97,49.91 ; C74.1 155.82,28.68 155.88,28.73 155.88,30.91 155.82,30.96 C75.1 ; 83.63,25.26 83.63,27.63 ; 217.46,4.95 215.99,4.95 ; 97.14,19.94 95.73,19.94 ; C30.1 24.96,29.22 C25.1 23.53,40.25 ; 67.12,110.08 65.68,110.08 ; 7,49.93 C32.1 ; 36.99,19.93 35.58,19.93 ; 187.44,49.95 C86.1 ; 83.65,100.4 85.05,100.4 ; 187.44,110.09 186,110.09
  Bottom w0.5: C5.1 209.16,157.6 v1(208.91,157.35) ; 219.53,155.87 v1(219.57,155.83) U1.3 218.27,157.13 v1(218.27,155.77)
  Bottom w0.6: 226.55,152.21 226.55,152.71 ; 226.55,152.71 226.58,152.68 v1(226.58,152.06) v1(226.58,150.93) 226.58,150.68 v1(228.99,150.68) 231.35,150.68 v1(231.35,150.72) v1(231.35,152.22) J1.A4 ; 226.55,152.71 J1.A4
  vias: v1(201.35,146.92) v1(202.52,146.93) v1(202.53,145.9) v1(203.76,146.95) v1(203.73,145.92) v1(203.72,144.79)
/button-grid1/1x1: length 29.8
  Top w0.2: 86.41,42.91 86.85,42.91 v1(88.16,41.61) ; 86.41,42.91 85.55,42.91 80.82,47.64 77.86,47.64 SW4.2 ; 86.41,42.91 86.67,42.91
  Bottom w0.2: U5.3 87.53,35.38 89.45,37.29 89.45,39.69 ; 89.45,39.69 89.45,40.32 v1(88.16,41.61) ; 89.45,39.69 89.45,40.14
/button-grid1/1x2: length 18
  Top w0.2: v1(86.17,31.54) 78.96,31.54 SW4.10
  Bottom w0.2: U5.1 86.23,31.6 v1(86.17,31.54)
/button-grid1/1x3: length 18.6
  Top w0.2: v1(86.22,29.12) 79.41,29.12 SW4.18
  Bottom w0.2: U5.28 86.23,29.11 v1(86.22,29.12)
/button-grid1/1x4: length 29
  Top w0.2: v1(86.3,16.89) 82.97,16.89 73.69,7.6 SW4.26
  Bottom w0.2: U5.26 87.53,25.42 89.51,23.45 89.51,20.1 v1(86.3,16.89)
/button-grid1/2x1: length 22
  Top w0.2: SW4.4 89.74,52.6 90.47,51.87 v1(90.47,48.94)
  Bottom w0.2: U5.4 88.19,35.45 90.47,37.74 v1(90.47,48.94)